# KiCad board AWS PROJECT.kicad_pcb (continued)
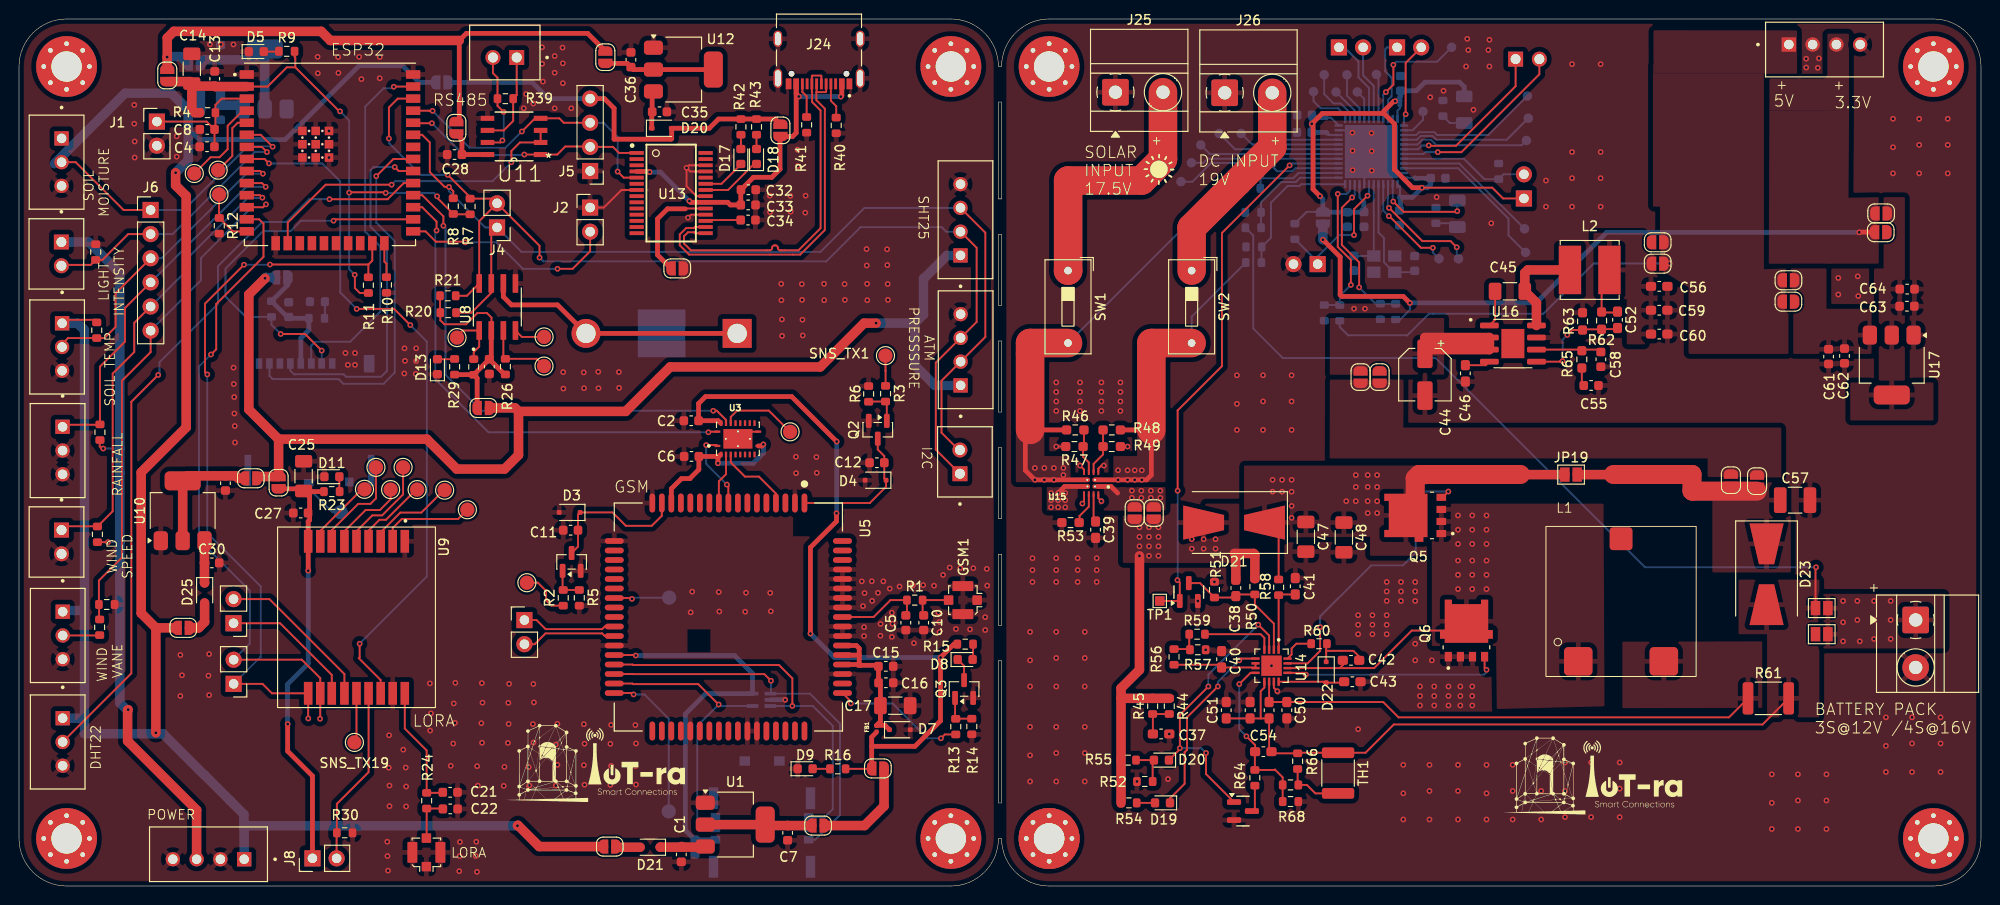
[diagram p0: board, top side]
## Routing (per net, layer and track width the routed paths; a pad name or vN(x,y) marks a point on that pad's centre or on a via; arc(x,y) is an arc through that point) (continued)
/gate way/LORA ANT: length 13.3
  Top w0.2: 44.64,9.93 44.52,9.81 R24.1 42.87,14.27 40.57,16.57 U9.18
/gate way/LORA BOOT: length 18.8
  Top w0.2: J8.2 33.4,5.58 R30.2 33.42,8.64 36.76,11.98 U9.15
/gate way/lora power in: length 45.9
  Top w0.5: v1(30.42,33.19) 30.41,33.2 U9.9 30.41,38.37 30.56,38.52 30.56,40.95 C25.1 ; C25.1 29.71,41.8 JP8.1 ; C25.1 30,41.51 R23.2 ; J8.1 30.86,11.58 28.25,14.19 v1(28.25,17.04)
  Bottom w0.5: v1(28.25,17.04) 28.24,17.05 28.24,21.24 30.42,23.42 v1(30.42,33.19)
/gate way/LORA RST: length 74.7
  Top w0.2: v1(41.16,59.03) 39.45,60.74 v1(35.51,60.74) ; v1(35.82,25.5) 35.82,24.07 35.73,23.98 38.03,21.68 U9.16 ; U4.8 25.82,76.52 v1(26.29,76.05)
  Bottom w0.2: v1(26.29,76.05) 31.89,76.05 33.78,74.16 33.78,62.47 v1(35.51,60.74) ; v1(41.16,59.03) 42.89,57.3 42.89,32.57 v1(35.82,25.5)
/gate way/LORA_RX: length 67.8
  Top w0.2: v1(20.19,55.94) 20.74,56.49 20.74,61.25 25.71,66.22 25.71,69.71 25.25,70.17 U4.13 ; J10.2 24.03,23.81 24.04,23.82 29.74,23.82 31.68,21.88 U9.11 31.68,17.62 v1(31.66,17.6)
  Bottom w0.2: v1(20.19,55.94) 18.92,54.67 18.92,36.44 24.27,31.09 24.27,25.52 J10.2
/gate way/LORA_TX: length 77.2
  Top w0.2: U4.23 37.15,65.82 36.74,65.41 ; 36.74,65.41 v1(26.39,65.41) ; 36.74,65.41 R11.2 ; v1(19.8,53.84) 19.56,54.08 19.56,61.29 v1(23.66,65.39) ; v1(30.42,17.63) 30.41,17.64 U9.10 26.6,20.28 25.6,21.28 J10.1
  Bottom w0.2: v1(26.39,65.41) 26.37,65.39 v1(23.66,65.39) ; J10.1 25.42,24.12 25.42,31.54 19.8,37.16 v1(19.8,53.84)
/gate way/main ant: length 9.2
  Top w0.2: C5.1 93.37,28.6 93.37,30.09 91.65,30.09 89.87,28.31 U5.60
/gate way/netlight: length 14.2
  Top w0.2: R13.1 97.36,15.95 v1(96.95,15.54) ; U5.52 87.47,19.44 v1(87.47,19.21)
  Bottom w0.2: v1(87.47,19.21) 91.88,19.21 95.55,15.54 v1(96.95,15.54)
/gate way/nreset: length 15.6
  Top w0.2: U5.16 67.6,38.97 66.54,37.91 63.82,37.91 62.41,39.32 D3.1 58.78,39.1 C11.1 58.78,35.72 Q1.3
/gate way/pwkey: length 14.7
  Top w0.2: U5.1 89.47,40.31 91.18,42.02 D4.1 91,42.89 C12.1 91,45.25 90.31,45.94 Q2.3
/gate way/ri: length 7.9
  Top w0.2: U5.4 79.6,41.3 77.81,43.09 76.34,43.09 74.85,44.58 74.85,45.42
/gate way/RI: length 8.1
  Top w0.2: U3.17 74.85,49.37 75.51,50.03 78.86,50.03 SNS_TX5.1
/gate way/RS485 power in: length 5.1
  Top w0.5: U11.8 46.58,76.98 46.58,78.57 JP11#2.1
/gate way/RTC INT: length 7.4
  Top w0.2: SNS_TX10.1 54.44,55.48 R26.1 50.94,55.7 U8.3
/gate way/RTC power input: length 23.6
  Top w0.2: R21.2 44.27,60.37 R20.2 44.3,59.55 44.73,59.12 47.02,59.12 48.2,60.3 49.21,60.3 49.69,59.82 49.69,58.49 U8.2
  Top w0.5: R29.2 47.8,53.82 R25.2 ; JP10.1 48.18,53.44 R25.2 ; 49.46,55.44 51.07,53.83 R26.2 ; 49.46,55.44 49.66,55.65 U8.2 ; 49.46,55.44 R25.2
/gate way/RTC RST: length 3.3
  Top w0.2: SNS_TX9.1 52.88,57.79 U8.4
/gate way/rx: length 25.6
  Top w0.2: v1(43.42,80.28) 41.5,80.28 U4.34 ; U13.1 63.09,77.16 62.46,77.79 J5.2 60.02,77.83 57.45,77.83 56.61,76.98 U11.1 v1(53.14,76.98)
  Bottom w0.2: v1(43.42,80.28) 46.77,76.93 53.08,76.93 v1(53.14,76.98)
/gate way/S1223: length 28.9
  Top w0.2: 4.49,65.37 7.54,65.37 R34.2 8.77,65.9 11.48,68.61 J6.2 13.83,68.62 13.78,68.62 ; v1(26.07,77.25) 25.53,77.79 U4.7
  Bottom w0.2: J6.2 16.15,68.61 24.82,77.28 26.05,77.28 v1(26.07,77.25)
/gate way/SD CS: length 39.1
  Top w0.2: v1(31.83,56.35) 30.08,58.1 v1(27.52,58.1) ; U4.26 33.23,70.17 v1(33.08,70.02)
  Bottom w0.2: v1(31.83,56.35) 31.83,56.34 J16.2 ; v1(33.08,70.02) 29.65,70.02 28.55,68.92 25.66,68.92 21.72,64.98 21.72,62.03 23.85,59.9 R35.1 26.55,59.07 v1(27.52,58.1)
/gate way/SD power in: length 13
  Bottom w0.5: JP12#2.1 28.28,63.28 R35.2 28.21,59.89 C29.1 28.5,59.75 R31.2 30.48,59.75 30.48,58.5 29.64,57.66 29.64,54.99
/gate way/SIM CLK: length 40.8
  Top w0.2: v1(79.08,21.6) 78.38,22.3 64.56,22.3 64.55,22.31 U5.32
  Bottom w0.2: J7.S3 83.74,4.88 86.33,7.46 86.33,17.1 83.18,20.25 D6.1 79.08,20.31 v1(79.08,21.6)
/gate way/SIM DATA: length 43.6
  Top w0.2: v1(81.33,18.95) 81.33,21.85 79.92,23.26 64.58,23.26 64.53,23.31 U5.31
  Bottom w0.2: v1(81.33,18.95) D6.3 83.48,18.95 85.58,16.85 85.58,8.1 84.75,7.28 J7.S6
/gate way/SIM DET: length 16.6
  Top w0.2: v1(64.63,20.16) 64.48,20.31 U5.34
  Bottom w0.2: SNS_TX8.1 68.33,17.6 65.77,20.16 v1(64.63,20.16)
/gate way/SIM RST: length 31
  Top w0.2: v1(73.58,19.1) 71.43,21.25 64.56,21.25 64.5,21.31 U5.33
  Bottom w0.2: 73.73,18.95 D6.4 ; 73.73,18.95 v1(73.58,19.1) ; 73.73,18.95 73.43,18.95 71.33,16.85 71.33,6.85 72.11,6.08 J7.S2
/gate way/SIM VDD: length 41.2
  Top w0.2: v1(64.86,24.26) 64.81,24.31 U5.30
  Bottom w0.5: v1(64.86,24.26) 75.24,24.26 77.14,22.36 D6.5 72.23,20.25 70.08,18.1 70.08,5.85 71.05,4.88 C18.1 J7.S1
/gate way/strap2: length 3.7
  Top w0.2: U4.24 38.42,65.72 38.64,65.5 38.64,64.08
/gate way/strap12: length 6
  Top w0.2: SNS_TX7.1 21.03,70.34 R12.1 22.48,68.9 U4.14
/gate way/tx: length 31.1
  Top w0.2: J5.3 57.29,80.33 56.83,80.8 U11.4 54.27,80.8 v1(52.88,79.41) ; v1(62.95,75.19) 63.58,74.56 U13.5 ; v1(43.49,81.58) 43.14,81.58 43.12,81.6 U4.35
  Bottom w0.2: v1(43.49,81.58) 47.36,77.71 51.18,77.71 v1(52.88,79.41) ; J5.3 61.48,80.33 62.95,78.86 v1(62.95,75.19)
/gate way/USBD+: length 37.8
  Top w0.2: U13.15 71.08,68.7 70.98,68.81 70.35,68.81 69.94,68.39 69.94,67.62 70.65,66.91 78.96,66.91 arc(79.13,66.98) 79.2,67.15 79.2,67.19 arc(79.27,67.36) 79.44,67.43 79.56,67.43 arc(79.73,67.36) 79.8,67.19 79.8,67.15 arc(79.87,66.98) 80.04,66.91 81.97,66.91 84.3,69.23 84.3,81.63 83.41,82.52 83.41,83.54 83.38,83.57 J24.B6 83.38,85.24 83.43,85.29 84.33,85.29 84.38,85.24 J24.A6
/gate way/USBD-: length 38.5
  Top w0.2: 83.88,83.57 J24.A7 ; 83.88,83.57 83.9,83.55 84.83,83.55 84.88,83.6 J24.B7 ; 83.88,83.57 83.86,83.54 83.86,82.7 84.75,81.81 84.75,69.05 82.15,66.45 70.47,66.45 69.48,67.44 69.48,68.57 70.17,69.25 70.98,69.25 71.08,69.35 U13.16
/gate way/VH400: length 31
  Top w0.2: U4.6 25.42,79.06 v1(26.67,77.81) ; J19.2 5.96,76.18 10.99,71.15 J6.1 13.84,71.86
  Bottom w0.2: J6.1 17.34,71.15 24.04,77.85 26.63,77.85 v1(26.67,77.81)
/gate way/VSPI-CLK: length 38.4
  Top w0.2: U4.30 39.93,75.25 v1(39.51,75.67)
  Bottom w0.2: v1(39.51,75.67) 37.28,75.67 36.97,75.36 36.97,69.38 38.7,67.65 38.7,54.22 38.08,53.6 34.4,53.6 34.15,53.85 28.92,53.85 28.53,54.24 J16.5 28.53,55.31
/gate way/VSPI-MISO: length 41.4
  Top w0.2: U4.31 39.38,76.52 v1(37.57,74.71)
  Bottom w0.2: v1(37.57,74.71) 37.57,69.81 39.51,67.87 39.51,54.03 38.33,52.85 34.11,52.85 33.61,53.35 26.67,53.35 26.34,53.69 J16.7
/gate way/VSPI-MOSI: length 38.8
  Top w0.2: v1(39.41,84.12) 39.43,84.14 U4.37
  Bottom w0.2: J16.3 30.73,56.87 31.15,57.28 34.83,57.28 37.99,60.44 37.99,67.29 36.4,68.88 36.4,82.02 38.34,83.96 39.25,83.96 v1(39.41,84.12)
/power board/BATT_INPUT: length 11.9
  Bottom w0.2: U18.13 134.73,74.54 134.27,74.08 132.75,74.08 130.62,71.95 R76.1 130.62,70.9 R75.2
/power board/BATT_VAL: length 153.9
  Top w0.2: 186.11,19.75 183.36,17 144.58,17 141.61,14.03 TH1.1 134.53,14.03 R66.2 131.89,13.96 C54.1 131.47,14.39 C49.2 130.58,17.64 ; C51.1 C53.1 130.58,17.64 ; v1(188.99,33.54) 188.93,33.49 JP21#2.1 ; U14.9 130.97,20.89 130.58,20.5 130.58,17.64
  Bottom w0.2: R75.1 129.8,68.46 129.8,58.67 132.91,55.56 148.99,55.56 171.01,33.54 v1(188.99,33.54)
/power board/BATTERY BMS:
  vias: v1(191.83,30) v1(191.83,27.75) v1(191.83,25.75) v1(193.33,30) v1(193.33,28) v1(193.58,25.75) v1(195.08,30) v1(195.08,28) v1(195.08,26) v1(196.83,30) v1(196.83,28) v1(196.83,26)
/power board/BOOT0_MCU: length 13.7
  Bottom w0.2: U18.44 151.96,76.54 154.1,74.4 R80.2 156.11,74.9 J30.2
/power board/BOOT1_MCU: length 10.7
  Bottom w0.2: U18.20 129.69,78.04 PB21.1
/power board/btst: length 3.5
  Top w0.2: R60.2 134.33,25.5 133.83,25 133.83,24.36 U14.16
/power board/CE: length 58.2
  Top w0.2: v1(121.85,41.6) 121.85,50.05 126.51,54.71 126.51,68.73 v1(133.62,75.84) ; TP1.1 Q4.1 122.07,31.95 v1(121.83,32.19)
  Bottom w0.2: v1(121.83,32.19) 121.85,32.21 v1(121.85,41.6) ; v1(133.62,75.84) 133.82,76.04 U18.16
/power board/cin: length 12.2
  Bottom w0.2: C72.2 146.63,64.61 Y1.1 144.58,64.61 143.55,65.64 143.55,68.2 142.97,68.78 U18.5
/power board/cout: length 9.7
  Bottom w0.2: C73.2 140.41,66.31 Y1.3 142.48,70.57 142.48,70.57 142.48,72.21 142.47,72.22 U18.6
/power board/DC JACK INPUT: length 38.3
  Top w0.5: 113.15,42.75 v1(115.58,42.75) v1(116.58,42.75) v1(117.33,42.75) v1(118.08,42.75) 118.58,42.75 119.08,43.25 119.08,48 R48.1
  Top w3: SW2.2 119.08,57.15 119.08,48
  Bottom w0.2: SW2.2 123.32,59.92 R73.1
  vias: v1(115.58,43.75) v1(116.58,43.75) v1(117.33,43.75) v1(118.08,43.75)
/power board/DC_INPUT: length 15.3
  Bottom w0.2: R73.2 130.66,67.24 R74.1 131.66,68.23 131.66,71.92 133.42,73.68 134.67,73.68 134.85,73.86 U18.12
/power board/FB: length 11.3
  Top w0.2: v1(162.83,58) 163.34,58.52 R63.1 164.5,58.59 R62.2 166.45,58.61 167.99,58.61 C52.2 ; v1(162.33,55.25) 162.08,55.25 162.01,55.19 U16.5
  Bottom w0.2: v1(162.33,55.25) 162.33,57.5 v1(162.83,58)
/power board/hidriv: length 31
  Top w0.2: U14.15 135.51,23.44 136.83,24.75 v1(136.83,27.25) ; v1(150.31,41.52) 149.7,40.91 Q5.4
  Bottom w0.2: v1(150.31,41.52) 147.44,41.52 146.89,40.96 146.89,35.07 145.56,33.74 142.2,33.74 136.83,28.38 v1(136.83,27.25)
/power board/lodriv: length 22.8
  Top w0.2: v1(154.33,22.75) 154.12,22.95 Q6.4 ; U14.13 135.14,22.44 v1(135.33,22.25)
  Bottom w0.2: v1(135.33,22.25) 154.08,22.25 154.33,22.5 v1(154.33,22.75)
/power board/MCU_SCL: length 17.4
  Top w0.2: v1(148.26,77.94) 148.3,77.9 151.12,77.9 157.39,84.18 J33.1
  Bottom w0.2: U18.42 147.15,77.54 147.55,77.94 v1(148.26,77.94)
/power board/MCU_SDA: length 19.3
  Top w0.2: J33.2 159.89,85.44 151.69,77.23 v1(149.21,77.23)
  Bottom w0.2: U18.43 147.69,77.04 147.88,77.23 v1(149.21,77.23)
/power board/mpptset: length 14.4
  Top w0.2: Q4.3 124.2,31.88 R51.2 127.44,30.36 127.59,30.51 C38.2 128.14,30.69 R50.1 129.97,29.61 131.97,27.61 U14.2
/power board/MUXOUT: length 41.7
  Top w0.2: C38.1 127.97,34.36 127.83,34.5
  Top w1: C38.1 127.97,34.86 127.83,35 129.83,35 129.97,34.86 R50.2 ; v1(117.83,34.75) 117.83,22.75 115.89,20.81 115.89,19.75 ; 115.89,19.75 R45.2 R44.2 ; 115.89,19.75 R54.2
  vias: v1(117.83,37.75) v1(117.83,36.75) v1(117.83,35.75) v1(118.83,37.75) v1(118.83,36.75) v1(118.83,35.75) v1(118.83,34.75) v1(119.83,37.75) v1(119.83,36.75) v1(119.83,35.75) v1(119.83,34.75) v1(123.33,36.5) v1(123.33,35.5) v1(124.58,36.5) v1(124.58,35.5) v1(125.83,36.5) v1(125.83,35.5)
/power board/OV1: length 4.7
  Top w0.2: R46.2 111.99,46.34 R47.1 111.9,45.17 112.51,44.58 U15.5
/power board/OV2: length 4.9
  Top w0.2: U15.4 113.01,44.42 114.01,45.42 R49.1 R48.2
/power board/ph: length 21.4
  Top w0.2: 138.9,22.94 142.51,22.94 146.46,26.89 Q6.5_6 ; 138.9,22.94 139.22,23.25 C42.2 ; 138.9,22.94 U14.14
  vias: v1(151.33,39) v1(151.33,37.5) v1(151.33,36) v1(151.33,34.25) v1(151.33,32.75) v1(151.33,31.25) v1(152.83,39) v1(152.83,37.5) v1(152.83,36) v1(152.83,34.25) v1(152.83,32.75) v1(152.83,31.25) v1(154.33,39) v1(154.33,37.5) v1(154.33,36) v1(154.33,34.25) v1(154.33,32.75) v1(154.33,31.25)
/power board/regn: length 7
  Top w0.2: C43.1 139.25,21.4 D22.2 137.23,21.4 137.13,21.5 U14.12
/power board/RST_MCU: length 14.9
  Top w0.2: v1(140.4,68.5) 140.4,71.23 v1(141.82,72.65)
  Bottom w0.2: 136.57,65.69 136.57,66.25 138.83,68.5 v1(140.4,68.5) ; 136.57,65.69 134.19,68.07 R79.1 ; 136.57,65.69 J29.1 ; U18.7 141.97,72.81 v1(141.82,72.65)
/power board/SOLAR INPUT: length 53.7
  Top w0.5: R46.1 106.33,48 105.83,47.5 105.83,43.75 v1(106.83,42.75) v1(107.83,42.75) v1(108.83,42.75) U15.7_1
  Top w3: SW1.2 106.33,57.15 106.33,48
  Bottom w0.2: R77.1 126.56,73.43 123.85,70.72 123.85,70.68 SW1.2
  vias: v1(106.83,44) v1(107.83,44) v1(108.83,44) v1(109.83,44) v1(109.83,43.25)
/power board/SOLAR_INPUT: length 10.6
  Bottom w0.2: R77.2 130.56,73.44 R78.1 130.56,74.58 130.66,74.48 134,74.48 134.56,75.04 U18.14
/power board/srp: length 54
  Top w0.2: R61.1 179.83,17.75 145.08,17.75 143.47,19.36 C50.1 C49.1 U14.10
/power board/stat1: length 19.8
  Top w0.2: v1(126.08,21) 122.83,17.75 122.83,14.33 122.58,14.08 122.58,10.76 121.04,9.22 D19.1 ; v1(128.33,23.75) 128.51,23.94 U14.5
  Bottom w0.2: v1(128.33,23.75) 126.08,21.5 v1(126.08,21)
/power board/stat2: length 30.6
  Top w0.2: U14.3 131.47,26.36 v1(130.33,27.5) ; v1(124.83,14) 124.83,11.78 Q7.1 ; D20#2.1 122.08,14.4 122.08,18 v1(125.08,21)
  Bottom w0.2: v1(125.08,21) 125.08,22.25 v1(130.33,27.5) ; v1(122.08,14.5) 124.33,14.5 v1(124.83,14)
/power board/SW_AP: length 10.9
  Top w1: L2.1 158.67,64.84 158.36,64.53 C45.1 159.58,61.36 U16.8
/power board/ts: length 7.7
  Top w0.2: R59.2 130.58,26.5 130.97,26.11 U14.4
/power board/vfb: length 17.8
  Top w0.2: v1(128.33,21.25) 129.51,22.44 U14.8 ; R68.2 R67.1 132.89,11.44 132.08,12.25 132.04,12.21 R64.2 129.97,14.11 C54.2 129.99,14.84 v1(129.08,15.75)
  Bottom w0.2: v1(128.33,21.25) 128.33,16.5 v1(129.08,15.75)
/power board/vref: length 9.2
  Top w0.2: R56.2 126.18,23.29 C40.1 129.97,23 U14.7 U14.6
Net-(C10-Pad1): length 4.4
  Top w0.2: C10.1 95.02,28.6 R1.2 GSM1.1
Net-(C15-Pad1): length 17.3
  Top w0.5: 88.48,23.24 88.36,23.36 88.36,24.3 ; 88.48,23.24 88.49,23.23 90.27,23.23 90.39,23.12 90.39,21.39 C16.1 90.59,21.19 C17.1 90.59,17.32 90.18,16.91 91.07,16.91 D7.1 ; 88.48,23.24 88.24,23.24 88.17,23.31 U5.55 ; U5.56 86.61,24.3 88.36,24.3 ; 88.36,24.3 88.36,25.01 88.06,25.31 U5.57
Net-(C22-Pad1): length 5.2
  Top w0.2: 42.64,7.93 R24.2 ; R24.2 42.87,5.28 42.64,5.06 ; R24.2 44.53,8.16 C22.1
Net-(C37-Pad1): length 3.9
  Top w0.2: C37.1 119.24,18.08 R45.1 R44.1
Net-(C42-Pad1): length 6
  Top w0.2: C42.1 140.94,24.14 140.33,24.75 137.47,24.75 ; D22.1 137.47,24.75 ; 137.47,24.75 137.47,25.42 R60.1
Net-(C55-Pad1): length 1.9
  Top w0.2: R65.1 164.36,52.88 C55.1
Net-(D5-A): length 1.6
  Top w0.2: D5.2 27.3,87.82 R9.1
Net-(D8-A): length 1.6
  Top w0.2: D8.2 100.33,23.88 R15.1
Net-(D8-K): length 2.4
  Top w0.2: Q3.3 99.39,23.16 D8.1
Net-(D9-A): length 1.8
  Top w0.2: R16.1 83.47,12.33 D9.2
Net-(D11-A): length 1.6
  Top w0.2: D11.2 33.69,41.54 R23.1
Net-(D13-A): length 1.8
  Top w0.2: R29.1 45.78,55.44 D13.2
Net-(D14-A): length 1.8
  Bottom w0.2: D14.2 32.16,59.79 R31.1
Net-(D17-A): length 1.5
  Top w0.2: D17.2 75.92,77.58 R42.1
Net-(D17-K): length 4.6
  Top w0.2: U13.23 73.88,73.91 75.91,75.94 D17.1
Net-(D18-A): length 1.5
  Top w0.2: R43.1 D18.2
Net-(D18-K): length 6.5
  Top w0.2: U13.22 74.56,73.25 77.3,75.99 D18.1
Net-(D19-A): length 1.9
  Top w0.2: R54.1 D19.2
Net-(D20-A): length 4.2
  Top w0.2: R52.2 119.22,13.11 D20#2.2 R55.1
Net-(D20-K): length 4
  Top w0.5: 66.72,83.63 66.58,83.5 66.58,81.48 66.54,81.44 D20.1 ; 66.72,81.4 66.78,81.34
Net-(D21-A): length 2.6
  Top w1: D21.2 62.84,4.08 62.77,4.15
Net-(D21-K): length 48
  Top w0.2: 130.23,38.25 131.33,38.25 132.47,37.11 R58.2
  Top w1: JP19#2.2 167.68,43.3 167.69,43.31 ; 157.89,43.31 157.9,43.3 JP19#2.1
  Top w2: Q5.5_6 146.83,42.91 147.23,43.31 157.89,43.31 ; 182.78,41.55 175.99,41.55 175.94,41.6 175.94,43.31 167.69,43.31
  vias: v1(131.83,42.75) v1(131.83,41.5) v1(132.83,42.75) v1(132.83,41.5) v1(133.83,42.75) v1(133.83,41.5) v1(133.83,40) v1(133.83,38.75) v1(139.58,40.5) v1(140.58,43.25) v1(140.58,42) v1(140.58,40.5) v1(141.83,43.25) v1(141.83,42) v1(141.83,40.5) v1(141.83,39.25) v1(142.83,43.25) v1(142.83,42) v1(142.83,40.5) v1(142.83,39.25)
Net-(D24-A): length 10.2
  Top w0.2: v1(151.26,71.02) 151.19,70.95 145.62,70.95 v1(144.53,72.04)
  Bottom w0.2: U18.2 144.47,72.1 v1(144.53,72.04) ; v1(151.26,71.02) D24#2.2
Net-(D24-K): length 2.4
  Bottom w0.2: R81.2 150.86,69.75 D24#2.1
Net-(D25-A): length 3.9
  Top w1: D25.2 19.52,27.79 18.9,27.17 JP13.1
Net-(D25-K): length 2.5
  Bottom w0.2: R82.2 150.47,80.3 D25#2.1
Net-(J1-Pin_1): length 14.4
  Top w0.2: C8.1 20.66,79.72 R4.2 20.66,82.2 21.32,82.87 U4.3 ; C8.1 19.73,80.45 J1.1 ; C8.1 20.56,77.82 C4.2
Net-(J2-Pin_2): length 23.1
  Top w0.2: v1(46.93,67.74) 46.86,67.81 43.84,67.81 42.75,68.9 U4.25 ; v1(56.63,64.96) 58.22,64.96 60.06,66.8 J2.2
  Bottom w0.2: v1(56.63,64.96) 52.99,64.96 50.21,67.74 v1(46.93,67.74)
Net-(J9-Pin_1): length 14.5
  Top w0.2: J9.1 27.45,27.66 32.89,22.22 U9.12
Net-(J9-Pin_2): length 17
  Top w0.2: J9.2 26.34,30.19 34.22,22.31 U9.13
Net-(J16-DETECT_SWITCH): length 5
  Bottom w0.2: J16.10 30.46,41.86 32.97,39.35 SNS_TX20.1
Net-(J18-Pad2): length 4
  Top w0.2: J18.2 8.44,26.37 R37.1 8.43,26.36
Net-(J24-CC1): length 3.8
  Top w0.2: R40.2 85.94,82.08 85.38,82.64 J24.A5
Net-(J24-CC2): length 3.7
  Top w0.2: J24.B5 82.38,83.57 82.83,83.12 R41.2
Net-(J25-Pin_2): length 27.4
  Top w3: J25.2 120.31,76.5 118.05,74.25 110.33,74.25 110.33,64.77 SW1.1
Net-(J26-Pin_2): length 22.2
  Top w3: SW2.1 123.32,69.28 131.8,77.75 J26.2
Net-(J31-Pin_1): length 9.7
  Bottom w0.2: 138.47,88.27 138.98,88.27 ; J31.1 139.38,88.26 140.86,86.78 140.86,85.11 141.97,84 U18.30
Net-(J31-Pin_2): length 8
  Bottom w0.2: J31.2 141.35,85.32 142.47,84.2 142.47,83.4 142.47,83.4 142.47,81.47 142.47,81.46 U18.31
Net-(J32-Pin_1): length 9.1
  Bottom w0.2: J32.1 143.87,88.26 143.68,88.07 143.68,85.74 144.35,85.07 144.35,83.11 143.97,82.74 U18.34
Net-(J32-Pin_2): length 9
  Top w0.2: J32.2 145.83,86.63 v1(145.83,81.22)
  Bottom w0.2: v1(145.83,81.22) 145.66,81.05 U18.37
Net-(JP2-A): length 2.5
  Bottom w1: D24.2 19.09,84.08 JP2.1
Net-(JP3-A): length 11.3
  Top w1: U1.2 U1.2 78.57,6.36 80.83,6.36 80.83,6.36 JP3.1
Net-(JP4-A): length 13.8
  Bottom w1: U2.2 U2.2 25.84,87.93 24.86,86.95 C9.1 19.48,86.95 JP4.1
Net-(JP13-A): length 5.7
  Top w0.5: v1(109.28,41.36) 109.97,42.05 U15.8_1 ; U15.1 114.84,42.05 115.53,41.36
  vias: v1(108.53,41.36) v1(108.53,40.61) v1(108.53,39.86) v1(109.28,40.61) v1(109.28,39.86) v1(110.03,41.36) v1(110.03,40.61) v1(110.03,39.86) v1(117.03,41.61) v1(117.03,40.86) v1(118.03,41.61) v1(118.03,40.86) v1(119.03,41.61) v1(119.03,40.86) v1(120.03,41.61) v1(120.03,40.86)
Net-(JP14-A): length 13.1
  Top w1: JP14.1 23.07,42.91 22.81,43.17 C31.1 17.74,43.17 U10.2 U10.2
Net-(JP16-A): length 11.6
  Top w0.5: JP16.1 63.96,86.58 C36.1 64.61,85.93 U12.2 U12.2
Net-(JP17-A): length 11.3
  Top w0.2: 70.07,71.27 70.11,71.31 U13.19
  Top w0.5: JP17.1 67.15,66.42 67.15,70.22 68.2,71.27 70.07,71.27
Net-(JP19-A): length 24.4
  Top w1: 154.63,57.1 154.63,57.72 147.87,57.72 147.86,57.71 C44.1 ; 154.63,57.1 148.94,57.1 C44.1 ; 154.63,57.1 U16.3 148.3,56.45 C44.1 ; C44.1 147.86,56.53
Net-(JP22-A): length 6.5
  Top w0.2: C52.1 168.01,60.36 166.49,60.36 166.43,60.42 166.43,64.02 L2.2
Net-(Q1-B): length 3.7
  Top w0.2: R5.2 R2.2 57.16,31.22 Q1.1
Net-(Q2-B): length 3.9
  Top w0.2: R6.2 89.38,50.99 R3.2 91.26,50.86 Q2.1
Net-(Q3-B): length 3.9
  Top w0.2: Q3.1 98.44,17.67 R13.2 98.52,17.61 R14.2
Net-(Q7-D): length 2.8
  Top w0.2: Q7.3 129.97,8.2 R64.1
Net-(R56-Pad1): length 3.3
  Top w0.2: 123.07,24.94 R57.2 ; 123.07,24.94 R59.1 ; 123.07,24.94 R56.1
Net-(R66-Pad1): length 6.2
  Top w0.2: TH1.2 136.33,9.75 135.44,10.64 R67.2 134.47,10.71 R66.1
Net-(U1-VI): length 5
  Top w1: 69.72,4.16 C1.1 ; C1.1 67.44,4.09 D21.1 ; C1.1 72.1,4.09 U1.3 72.09,4.08
Net-(U2-VI): length 4.5
  Bottom w1: D24.1 21.19,84.08 C3.1 23.14,82.18 U2.3
Net-(U4-SENSOR_VN): length 6.8
  Top w0.2: SNS_TX4.1 22.43,76.83 22.43,79.76 23,80.33 U4.5
Net-(U4-SENSOR_VP): length 9.7
  Top w0.2: SNS_TX3.1 20.14,76.7 21.09,76.7 21.94,77.55 21.94,80.01 23.53,81.6 U4.4
Net-(U5-USB_VBUS): length 5.9
  Top w0.2: v1(64.46,30.22) 64.37,30.31 U5.24
  Bottom w0.2: SNS_TX6.1 64.59,30.35 v1(64.46,30.22)
Net-(U8-VBAT): length 27.6
  Top w0.5: 50.94,63.42 50.94,62.02 51.79,61.16 56.62,61.16 BT1.1_1 BT1.1
Net-(U9-IO4): length 10.4
  Top w0.2: U9.5 35.49,37.34 37.16,39.01 38.19,39.01 40.39,41.21 SNS_TX17.1
Net-(U9-IO5): length 8.3
  Top w0.2: SNS_TX18.1 39.08,40.7 37.95,39.57 36.45,39.57 34.22,37.34 U9.6
Net-(U9-IO8): length 10
  Top w0.2: U9.2 39.3,37.68 40.25,38.63 46.18,38.63 SNS_TX14.1
Net-(U9-IO9): length 8
  Top w0.2: U9.4 36.76,37.4 37.9,38.54 38.58,38.54 41.76,41.72 SNS_TX16.1
Net-(U9-IO11): length 9.5
  Top w0.2: U9.3 38.03,37.23 40.1,39.3 42.31,39.3 44.67,41.66 SNS_TX15.1 44.77,41.67
Net-(U9-IO14): length 5.3
  Top w0.2: U9.14 35.49,15.33 SNS_TX19.1
Net-(U9-SWC/IO7): length 10.5
  Top w0.2: U9.7 32.89,37.44 35.67,40.22 36.96,40.22 37.54,40.8 SNS_TX12.1
Net-(U9-SWD/IO6): length 7.6
  Top w0.2: U9.8 31.68,37.37 36.06,41.75 SNS_TX13.1
Net-(U10-VI): length 4.5
  Top w1: D25.1 19.5,31.91 C30.1 ; C30.1 19.5,36.33 U10.3 ; C30.1 19.52,34
Net-(U11-A): length 10
  Top w0.2: U11.6 50.97,79.53 50.97,79.52 51.97,80.52 R39.2 52.34,83.24 J21.1
Net-(U11-B): length 10.9
  Top w0.2: v1(50.84,78.47) 50.62,78.25 U11.7 ; J21.2 49.84,85.55 50.32,85.07 R39.1 50.32,82.11 v1(50.96,81.47)
  Bottom w0.2: v1(50.84,78.47) 50.96,78.59 v1(50.96,81.47)
Net-(U13-3V3OUT): length 3.7
  Top w0.2: U13.17 72.29,70.09 C34.1
Net-(U14-VCC): length 7.5
  Top w0.2: C41.1 132.54,30.69 R58.1 U14.1
Net-(U15-ILIM): length 3.4
  Top w0.2: R53.1 111.53,38.29 111.53,38.95 112.51,39.92 U15.10
Net-(U15-SS): length 3
  Top w0.2: C39.1 113.01,38.58 U15.11
Net-(U16-BST): length 3.8
  Top w0.2: C45.2 155.23,59.59 U16.1
Net-(U16-COMP): length 6.9
  Top w0.2: C58.1 166.1,56.45 U16.6
Net-(U16-SS): length 2.7
  Top w0.2: U16.4 154.26,54.81 C46.1
Net-(U18-PA5): length 17.9
  Bottom w0.2: PB1.1 123.41,74.13 125.37,76.09 131.45,76.09 132.32,75.22 133.91,75.22 134.23,75.54 U18.15
Net-(U18-PA7): length 15.7
  Bottom w0.2: PB2.1 124.56,76.12 124.98,76.54 U18.17
Net-(U18-PA8): length 3.1
  Bottom w0.2: U18.29 141.47,82.85 PB3.1
Net-(U18-PA11): length 4.8
  Bottom w0.2: PB5.1 142.97,85.2 U18.32
Net-(U18-PA12): length 13
  Top w0.2: v1(143.75,83.55) 144.54,84.34 v1(144.54,86.42)
  Bottom w0.2: v1(143.75,83.55) 143.47,83.28 U18.33 ; v1(144.54,86.42) 144.87,86.75 149.14,86.75 PB4.1
Net-(U18-PA15/JTDI): length 3.3
  Bottom w0.2: PB6.1 147.66,80.63 146.57,79.54 U18.38
Net-(U18-PB0): length 14.9
  Bottom w0.2: PB7.1 125.23,77.04 U18.18
Net-(U18-PB1): length 13.3
  Bottom w0.2: PB8.1 127.88,77.54 U18.19
Net-(U18-PB3/JTDO-SWO): length 14.9
  Bottom w0.2: U18.39 146.95,79.04 147.25,79.34 148.84,79.34 149.14,79.04 154.53,79.04 PB9.1
Net-(U18-PB4/~{JTRST}): length 14.3
  Bottom w0.2: U18.40 147.01,78.54 147.41,78.94 148.67,78.94 149.07,78.54 156.46,78.54 PB10.1
Net-(U18-PB5): length 13.5
  Bottom w0.2: PB11.1 158.03,77.96 149.08,77.96 148.5,78.54 147.58,78.54 147.08,78.04 U18.41
Net-(U18-PB8): length 15.5
  Bottom w0.2: U18.45 151.46,76.04 PB12.1
Net-(U18-PB9): length 17.5
  Bottom w0.2: U18.46 151.35,75.54 156.64,70.25 156.64,68.48 PB13.1
Net-(U18-PB10): length 8
  Bottom w0.2: U18.21 131.62,78.54 PB14.1
Net-(U18-PB12): length 5.3
  Bottom w0.2: PB15.1 136.14,82.6 136.89,81.85 138.73,81.85 139.47,81.11 U18.25
Net-(U18-PB13): length 6.2
  Bottom w0.2: PB16.1 137.26,83.34 138.24,82.36 139,82.36 139.97,81.4 U18.26
Net-(U18-PB14): length 3.7
  Bottom w0.2: PB17.1 140.47,81.61 U18.27
Net-(U18-PB15): length 5.2
  Bottom w0.2: U18.28 140.97,81.88 139.66,83.19 PB18.1
Net-(U18-PC14-OSC32_IN): length 12.7
  Top w0.2: v1(151.2,67.22) 150.55,67.87 147.59,67.87 144.1,71.36 v1(144.08,71.36)
  Bottom w0.2: PB19.1 151.2,66.2 v1(151.2,67.22) ; U18.3 143.98,73.85 143.98,72.45 143.93,72.4 143.93,71.51 v1(144.08,71.36)
Net-(U18-PC15-OSC32_OUT): length 11
  Top w0.2: v1(144.06,70.5) 144.11,70.5 147.44,67.17 v1(148.69,67.17)
  Bottom w0.2: U18.4 143.47,71.09 v1(144.06,70.5) ; PB20.1 148.69,66.67 v1(148.69,67.17)

## Copper pours and planes (outline as drawn; the poured copper is in the pictures)
+3.3V on Top: 189.91,85.06 184.09,84.98 184.08,81.59 192.46,81.67 192.45,89.71 189.91,89.71
+3.3V on Top: 195.58,65.5 195.58,72.5 192.4,72.44 192.47,82.3 184.08,82.35 184.01,65.49
+5V on Top: 187.31,90.05 171.88,90.06 171.89,85.49 187.32,85.49
+5V on Top: 183.5,64.92 186.08,65 186.08,56 175.58,56 175.58,63 172.58,64.91 172.58,71.5 171.83,71.5 171.83,86.5 183.5,86.42
GND on Top: 187.5,85.48 187.49,90 189.67,89.99 189.67,85.49
GND on Top, Bottom: -14.47,110.49 103.62,111.99 104.56,-28.7 -16.29,-31.2
GND on Top, Bottom: 103.28,92.16 209.08,93.19 209.08,-0.95 103.49,-2.19
/power board/BATT_VAL on Top: 183.83,17.75 183.83,26.5 180.83,26.5 180.83,32.25 189.33,32.25 189.33,17.75
/power board/BATTERY BMS on Top: 189.75,25 202.5,25 202.5,30.75 189.75,30.75
/power board/BATTERY BMS on Bottom: 189.83,30.75 189.83,25 202.33,25 202.33,30.75
/power board/DC JACK INPUT on Top: 113.08,42.5 120.58,42.5 120.58,47.75 117.58,47.75 117.58,45.25 115.08,45.25 115.08,43 113.08,43
/power board/DC JACK INPUT on Bottom: 112.83,42.5 120.58,42.5 120.58,45 114.83,45 114.83,43.75 112.83,43.75
/power board/MUXOUT on Top: 116.08,39.15 116.08,34 128.33,34 128.33,40.25 120.83,40.25 120.83,39.15
/power board/MUXOUT on Bottom: 116.08,39 128.33,39 128.33,34 116.08,34
/power board/ph on Top: 148.58,40.25 148.58,25.25 155.33,25.25 155.41,18.63 166.74,18.91 166.64,40.24
/power board/ph on Bottom: 148.58,40.25 148.58,25.25 155.58,25.25 155.58,40.25
/power board/SOLAR INPUT on Top: 112.58,42.5 104.83,42.5 104.83,47.75 107.83,47.75 107.83,45.25 110.58,45.25 110.58,43 112.58,43
/power board/SOLAR INPUT on Bottom: 112.58,42.5 112.58,43.75 110.58,43.75 110.58,45.25 104.83,45.25 104.83,42.5
